# Altium PCB 400389.PcbDoc (part 8 of 8)
Units mm, origin at the board's own origin, x right, y up, seen from the top; angles counter-clockwise.
Board outline 155 x 63.5 mm, 4 copper layers (Top Layer, Mid-Layer 1, Mid-Layer 2, Bottom Layer), stack 1.54 mm thick; 437 components, 325 nets, 2173 pads, 2226 vias.
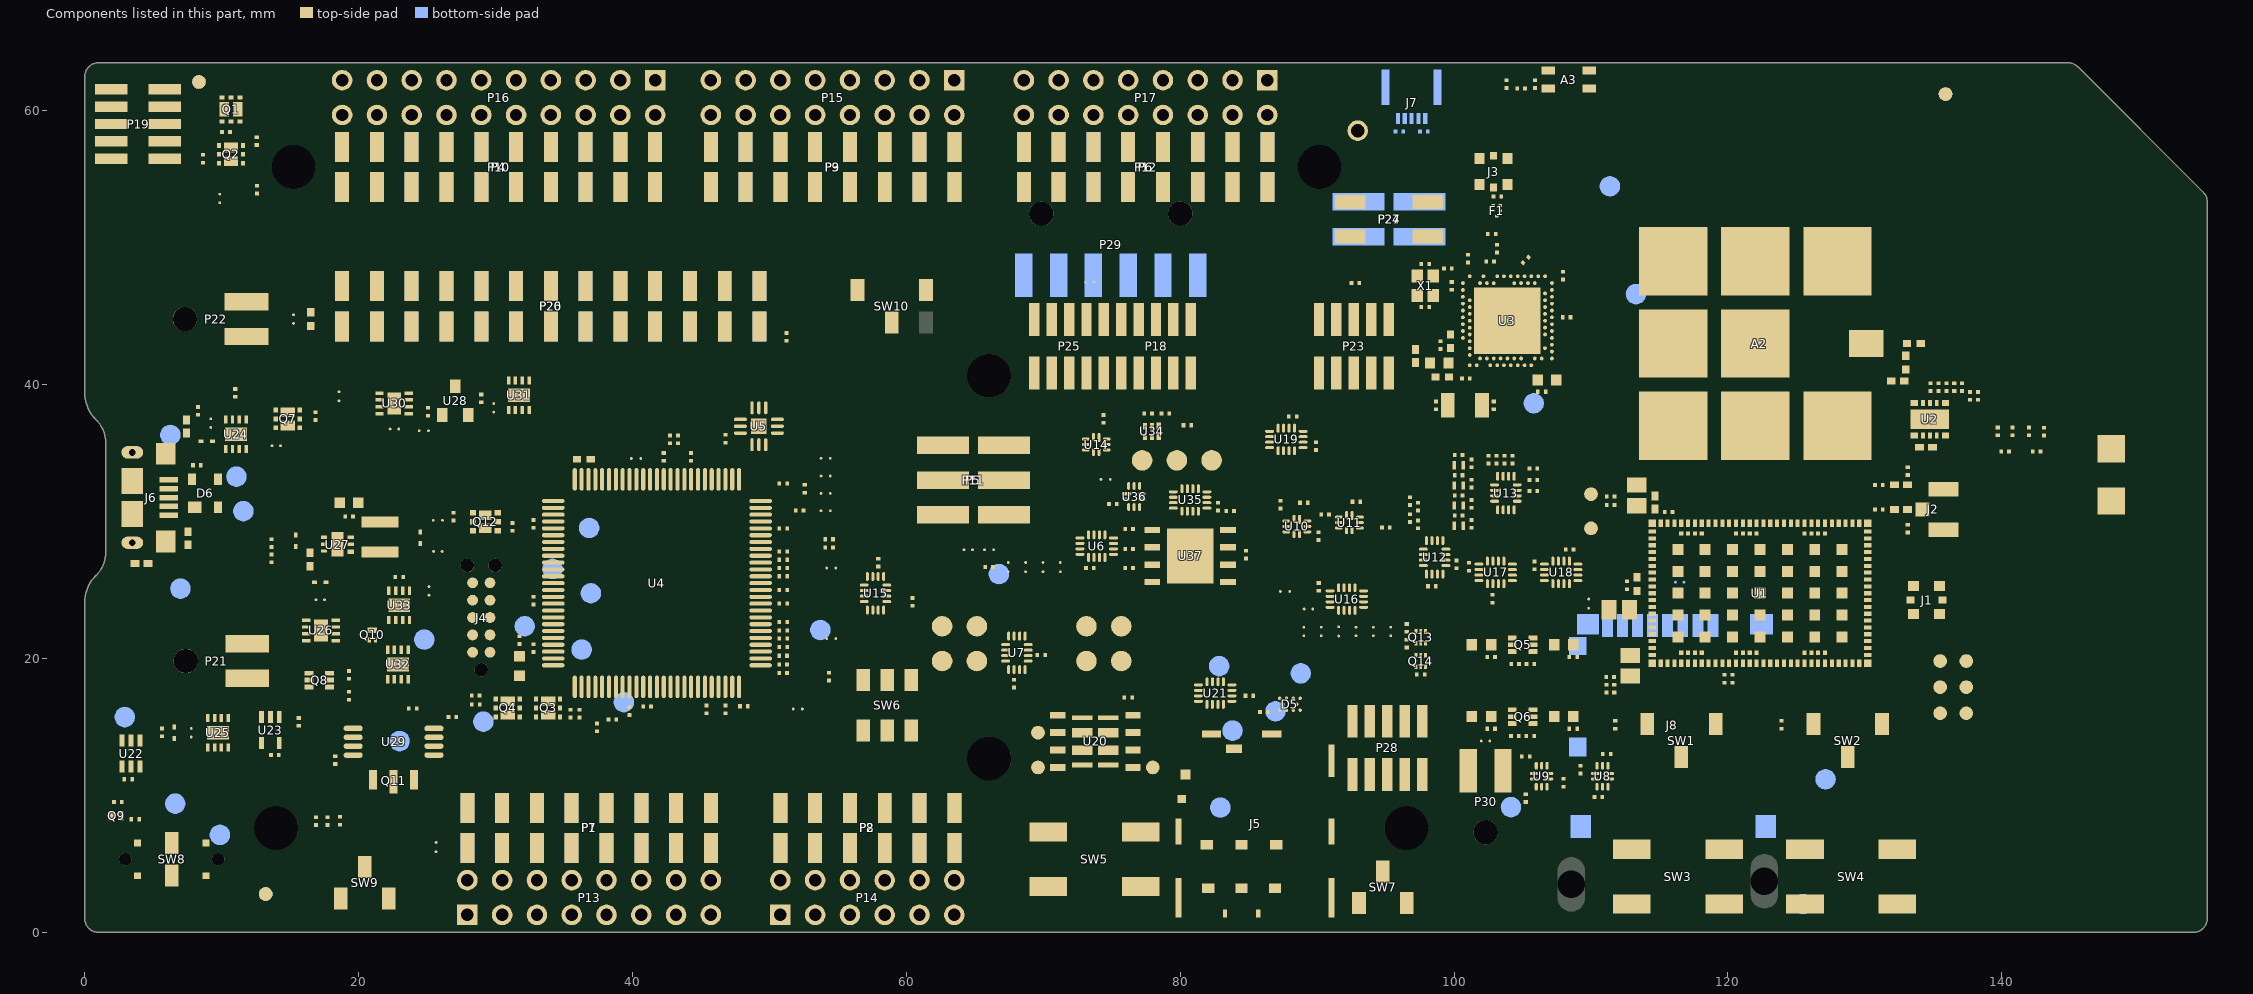
[diagram p10: the components of this part, seen from the top]

## Silkscreen, mask and mechanical layers (free items; w line width, h text height) (continued)
Bottom Overlay:
  drawing of 3696 lines, arcs and shapes, not listed
  text "P0.31" at 105.516,62.458 h1.91 r180
  text "IOEXP_SCL" at 110.767,62.458 h1.91 r180
  text "P0.09" at 122.58,62.458 h1.91 r180
  text "Switch 2" at 128.083,62.458 h1.91 r180
  text "NFC" at 91.307,62.198 h1.78 r180
  text "nRF91" at 139.319,60.629 h2.03 r180
  text "www.segger.com" at 0.635,60.325 h1.68 r180
  text "P0.30" at 105.42,59.918 h1.91 r180
  text "IOEXP_SDA" at 110.649,59.918 h1.91 r180
  text "P0.08" at 122.58,59.918 h1.91 r180
  text "Switch 1" at 128.179,59.918 h1.91 r180
  text "J-Link" at 0.554,59.174 h1.45 r180
  text "Technology" at 5.306,59.174 h1.45 r180
  text "TM" at 4.023,58.753 h0.94 r180
  text "P0.06" at 105.408,57.378 h1.91 r180
  text "IOEXP_IRQ" at 110.941,57.378 h1.91 r180
  text "P0.07" at 122.58,57.378 h1.91 r180
  text "Button 2" at 128.118,57.378 h1.91 r180
  text "S" at 4.237,57.315 h1.35 r180
  text "E" at 5.127,57.315 h1.35 r180
  text "G" at 5.911,57.315 h1.35 r180
  text "G" at 6.901,57.315 h1.35 r180
  text "E" at 7.925,57.315 h1.35 r180
  text "R" at 8.76,57.315 h1.35 r180
  text "I2C" at 144.094,56.793 h1.78 r180
  text "P0.06" at 122.58,54.838 h1.91 r180
  text "Button 1" at 128.214,54.838 h1.91 r180
  text "GPIO" at 105.388,54.812 h1.99 r180
  text "Function" at 111.823,54.812 h1.99 r180
  text "nRF52" at 145.694,54.585 h1.78 r180
  text "COEX1" at 99.695,53.816 h1.27 r180
  text "COEX0" at 87.757,53.739 h1.27 r180
  text "P0.31" at 19.303,53.112 h1.65 r90
  text "P0.30" at 21.843,53.112 h1.65 r90
  text "P0.20" at 24.383,53.112 h1.65 r90
  text "GND" at 26.924,53.112 h1.65 r90
  text "P0.13" at 29.463,53.112 h1.65 r90
  text "P0.12" at 32.003,53.112 h1.65 r90
  text "P0.11" at 34.543,53.112 h1.65 r90
  text "P0.10" at 37.083,53.112 h1.65 r90
  text "P0.09" at 39.623,53.112 h1.65 r90
  text "P0.08" at 42.163,53.112 h1.65 r90
  text "P0.07" at 46.227,53.112 h1.65 r90
  text "P0.06" at 48.768,53.112 h1.65 r90
  text "P0.05 (D5)" at 51.308,53.112 h1.65 r90
  text "P0.04 (D4)" at 53.848,53.112 h1.65 r90
  text "P0.03 (D3)" at 56.388,53.112 h1.65 r90
  text "P0.02 (D2)" at 58.928,53.112 h1.65 r90
  text "P0.01 (D1)" at 61.468,53.112 h1.65 r90
  text "P0.00 (ARDUINO D0)" at 64.008,53.112 h1.65 r90
  text "P0.28" at 69.088,53.112 h1.78 r90
  text "P0.27" at 71.628,53.112 h1.78 r90
  text "P0.26" at 74.168,53.112 h1.78 r90
  text "P0.25" at 76.708,53.112 h1.78 r90
  text "P0.24" at 79.248,53.112 h1.78 r90
  text "P0.23" at 81.788,53.112 h1.78 r90
  text "P0.22" at 84.328,53.112 h1.78 r90
  text "P0.21" at 86.843,53.112 h1.78 r90
  text "PIN" at 137.027,52.78 h1.78 r180
  text "P0.05" at 122.58,52.298 h1.91 r180
  text "LED 4" at 129.136,52.298 h1.91 r180
  text "(SCL)" at 20.421,52.071 h1.65 r90
  text "(SDA)" at 22.961,52.071 h1.65 r90
  text "(AREF)" at 25.501,52.071 h1.65 r90
  text "(D13)" at 30.581,52.071 h1.65 r90
  text "(D12)" at 33.121,52.071 h1.65 r90
  text "(D11)" at 35.661,52.071 h1.65 r90
  text "(D10)" at 38.201,52.071 h1.65 r90
  text "(D9)" at 40.741,52.071 h1.65 r90
  text "(D8)" at 43.281,52.071 h1.65 r90
  text "(D7)" at 47.345,52.071 h1.65 r90
  text "(D6)" at 49.885,52.071 h1.65 r90
  text "EXP" at 141.097,51.485 h1.52 r180
  text "P0.29" at 99.695,51.319 h1.27 r180
  text "COEX2" at 87.757,51.253 h1.27 r180
  text "P0.04" at 122.58,49.758 h1.91 r180
  text "LED 3" at 129.153,49.758 h1.91 r180
  text "nRF52" at 143.637,48.208 h1.78 r180
  text "P0.03" at 122.58,47.218 h1.91 r180
  text "LED 2" at 129.159,47.218 h1.91 r180
  text "P0.15" at 70.002,45.948 h1.91 r180
  text "CTS2" at 77.045,45.948 h1.91 r180
  text "Open" at 84.705,45.948 h1.91 r180
  text "*" at 140.513,44.754 h2.54 r180
  text "P0.02" at 122.58,44.678 h1.91 r180
  text "LED 1" at 129.255,44.678 h1.91 r180
  text "nRF91" at 91.821,44.12 h2.03 r180
  text "P0.14" at 70.002,43.408 h1.91 r180
  text "RTS2" at 77.067,43.408 h1.91 r180
  text "Open" at 84.705,43.408 h1.91 r180
  text "N.C" at 19.234,42.986 h1.4 r90
  text "VDD" at 21.774,42.986 h1.4 r90
  text "VTG" at 24.314,42.986 h1.4 r90
  text "SWD / IO" at 27.385,42.986 h1.4 r90
  text "SWD / CLK" at 29.925,42.986 h1.4 r90
  text "SWO" at 31.934,42.986 h1.4 r90
  text "RESET" at 34.474,42.986 h1.4 r90
  text "N.C" at 37.014,42.986 h1.4 r90
  text "VIN / 3-5V" at 40.085,42.986 h1.4 r90
  text "VDD / nRF" at 42.625,42.986 h1.4 r90
  text "VDD / nRF'" at 45.165,42.986 h1.4 r90
  text "VIO / REF" at 47.705,42.986 h1.4 r90
  text "ID" at 49.714,42.986 h1.4 r90
  text "GPIO" at 122.533,42.112 h1.99 r180
  text "Function" at 128.079,42.112 h1.99 r180
  text "Circuit" at 140.117,42.112 h1.99 r180
  text "P0.01" at 70.002,40.868 h1.91 r180
  text "TxD2" at 77.118,40.868 h1.91 r180
  text "Open" at 84.705,40.868 h1.91 r180
  text "P0.00" at 70.002,38.328 h1.91 r180
  text "RxD2" at 77.067,38.328 h1.91 r180
  text "Open" at 84.705,38.328 h1.91 r180
  text "PIN" at 91.434,38.176 h1.78 r180
  text "*" at 122.225,36.373 h2.54 r180
  text "P0.29" at 70.002,35.789 h1.91 r180
  text "TxD1" at 77.214,35.789 h1.91 r180
  text "Closed" at 84.041,35.787 h1.91 r180
  text "nRF52 /  / IFMCU / DISCONN" at 97.663,35.56 h1.78 r180
  text "*" at 132.766,34.468 h2.54 r180
  text "*" at 142.164,34.468 h2.54 r180
  text "VDD" at 122.251,33.601 h1.45 r180
  text "P0.28" at 70.002,33.249 h1.91 r180
  text "RxD1" at 77.163,33.249 h1.91 r180
  text "Closed" at 84.041,33.247 h1.91 r180
  text "LED" at 124.82,31.318 h1.99 r180
  text "Button" at 133.142,31.318 h1.99 r180
  text "Switch" at 142.379,31.318 h1.99 r180
  text "P0.27" at 70.002,30.709 h1.91 r180
  text "RTS1" at 77.163,30.709 h1.91 r180
  text "Closed" at 84.041,30.707 h1.91 r180
  text "IF / MCU" at 94.107,29.846 h1.52 r180
  text "P0.26" at 70.002,28.169 h1.91 r180
  text "CTS1" at 77.141,28.169 h1.91 r180
  text "Closed" at 84.041,28.167 h1.91 r180
  text "COEX2" at 126.055,27.914 h1.91 r180
  text "P1.15" at 133.183,27.914 h1.91 r180
  text "GPIO" at 69.955,25.603 h1.99 r180
  text "Function" at 75.501,25.603 h1.99 r180
  text "Default" at 83.791,25.603 h1.99 r180
  text "Circuit" at 94.397,25.603 h1.99 r180
  text "COEX1" at 126.151,25.374 h1.91 r180
  text "P0.11" at 133.296,25.374 h1.91 r180
  text "COEX0" at 126.055,22.834 h1.91 r180
  text "P1.13" at 133.193,22.834 h1.91 r180
  text "P0.25" at 70.002,22.454 h1.91 r180
  text "CS" at 78.039,22.454 h1.91 r180
  text "Open" at 84.705,22.453 h1.91 r180
  text "nRF91" at 93.345,22.052 h2.03 r180
  text "nRF91" at 139.573,20.7 h2.03 r180
  text "P0.24" at 126.734,20.294 h1.91 r180
  text "P0.18" at 133.2,20.294 h1.91 r180
  text "P0.13" at 70.002,19.914 h1.91 r180
  text "SCK" at 77.373,19.914 h1.91 r180
  text "Open" at 84.705,19.913 h1.91 r180
  text "PIN" at 90.805,19.404 h1.78 r180
  text "P0.23" at 126.734,17.754 h1.91 r180
  text "P1.02" at 133.2,17.754 h1.91 r180
  text "nRF52" at 99.797,17.662 h1.78 r180
  text "P0.12" at 70.002,17.374 h1.91 r180
  text "MISO" at 77.057,17.374 h1.91 r180
  text "Open" at 84.705,17.373 h1.91 r180
  text "PIN" at 139.186,16.585 h1.78 r180
  text "P0.14 (A0)" at 51.181,16.013 h1.65 r90
  text "P0.19 (A5)" at 63.881,16.02 h1.65 r90
  text "P0.15 (A1)" at 53.721,16.003 h1.65 r90
  text "P0.16 (A2)" at 56.261,16.003 h1.65 r90
  text "P0.17 (A3)" at 58.801,16.003 h1.65 r90
  text "P0.18 (A4)" at 61.335,15.986 h1.65 r90
  text "P0.22" at 126.74,15.214 h1.91 r180
  text "P1.04" at 133.177,15.214 h1.91 r180
  text "EXT MEMORY" at 92.964,14.998 h1.52 r180
  text "P0.11" at 70.002,14.834 h1.91 r180
  text "MOSI" at 77.078,14.834 h1.91 r180
  text "Open" at 84.705,14.833 h1.91 r180
  text "RESET" at 33.522,14.273 h1.65 r90
  text "nRF52" at 145.923,13.334 h1.78 r180
  text "GND" at 43.605,13.104 h1.65 r90
  text "GND" at 41.142,12.951 h1.65 r90
  text "N.C." at 46.272,12.951 h1.78 r90
  text "VDD" at 28.448,12.871 h1.65 r90
  text "VDD" at 30.988,12.871 h1.65 r90
  text "VDD" at 36.068,12.871 h1.65 r90
  text "P0.21" at 126.836,12.674 h1.91 r180
  text "P0.22" at 133.2,12.674 h1.91 r180
  text "GPIO" at 69.955,12.268 h1.99 r180
  text "Function" at 75.501,12.268 h1.99 r180
  text "Default" at 83.791,12.268 h1.99 r180
  text "Circuit" at 94.397,12.268 h1.99 r180
  text "5V" at 38.633,11.829 h1.65 r90
  text "P0.19" at 126.737,10.134 h1.91 r180
  text "P0.15" at 133.183,10.134 h1.91 r180
  text "nRF52" at 140.792,8.636 h2.03 r180
  text "P0.18" at 126.736,7.594 h1.91 r180
  text "P0.20" at 133.199,7.594 h1.91 r180
  text "P0.17" at 126.736,5.054 h1.91 r180
  text "P0.17" at 133.195,5.054 h1.91 r180
  text "nRF91" at 126.343,2.488 h1.99 r180
  text "nRF52" at 132.702,2.488 h1.99 r180
  text "Circuit" at 141.514,2.488 h1.99 r180
Board Outline:
  lines w0.254: 144.829,63.5 1,63.5 ccw(c1,62.5) 0,62.5 0,39.381 ccw(c2.717,39.381) 0.796,37.46 0.962,37.294 cw(c-0.876,35.751) 1.524,35.751 1.524,27.751 cw(c-0.876,27.751) 0.962,26.208 0.796,26.042 ccw(c2.717,24.121) 0,24.121 0,1 ccw(c1,1) 1,0 154,0 ccw(c154,1) 155,1 155,53.342 ccw(c153.984,53.342) 154.702,54.06 145.553,63.209 ; 144.829,63.501 cw(c144.829,62.485) 145.547,63.203
Top Assembly:
  drawing of 40 lines, arcs and shapes, not listed
Top Impedance Info:
  lines w0.19: 102.873,53.087 102.873,54.391 ; 104.615,61.629 103.761,61.629 ccw(c103.761,60.74) 103.125,61.36 ccw(c103.761,60.74) 102.873,60.74 102.873,56.711 ; 102.873,54.391 102.873,54.391 ; 102.873,56.711 102.873,56.711
  lines w0.191: 103.123,50.221 103.123,52.287 ; 103.123,49.216 103.123,49.651 ; 105.23,61.627 106.865,61.627 ; 130.1,43 130.12,43.02 133.08,43.02 ; 130.21,24.264 133.34,24.264 ; 133,42.075 133,42.9 ; 135.66,24.264 136.481,24.264 ccw(c136.481,25.858) 138.074,25.858 138.074,35.207 cw(c138.984,35.207) 138.984,36.117 ; 133.34,24.264 133.34,24.264
  lines w0.203: 130.21,27.264 131.565,27.264 ccw(c131.565,28.829) 133.13,28.829 ; 133,41.125 133,40.109 ccw(c135.06,40.109) 133.603,38.653 ; 133.13,29.765 133.13,30.88 133.13,32.68 133.13,33.397 ; 133.13,33.967 134.696,33.967 ccw(c134.696,35.16) 135.89,35.16 135.89,36.277
  text "50 ohm impedance" at 111.76,61.04 h3.05
Top Via Capping:
  text "Capped vias" at 111.76,61.04 h3.05

## Dimensions
154,0 to 90.17,55.881 on Dimensions
154,0 to 66.04,40.641 on Dimensions
154,0 to 66.04,12.701 on Dimensions
154,0 to 96.52,7.621 on Dimensions
154,0 to 144.829,63.5 on Dimensions
0,1 to 96.52,7.621 on Dimensions
0,1 to 66.04,12.701 on Dimensions
0,1 to 15.24,55.881 on Dimensions
0,1 to 13.97,7.621 on Dimensions
0,1 to 155,1 on Dimensions
0,1 to 144.829,63.501 on Dimensions
0,1 to 90.17,55.881 on Dimensions
154,1 to 160.7,-3.566 on Dimensions

## Text inside footprints (layer, text, board x,y; h text height)
J5: Top Component Outline "NO VIA / NO TRACE" at 82.677,11.295 h0.55; Top Component Outline "NO VIA / NO TRACE" at 81.915,7.993 h0.55
P19: Top Overlay "1" at 7.468,55.932 h1.02
P23: Top Overlay "1" at 95.123,46.483 h1.02
P25: Top Overlay "1" at 80.679,46.483 h1.02
P28: Top Overlay "1" at 92.423,9.013 h1.02